# Altium PCB 10515.0500_Display_System（6拼版）_V1.0_20200907.PcbDoc (part 11 of 13)
Units mm, origin at the board's own origin, x right, y up, seen from the top; angles counter-clockwise.
Board outline 157 x 228.4 mm, 4 copper layers (Top Layer, Mid-Layer 1, Mid-Layer 2, Bottom Layer); 516 components, 0 nets, 1971 pads, 894 vias.
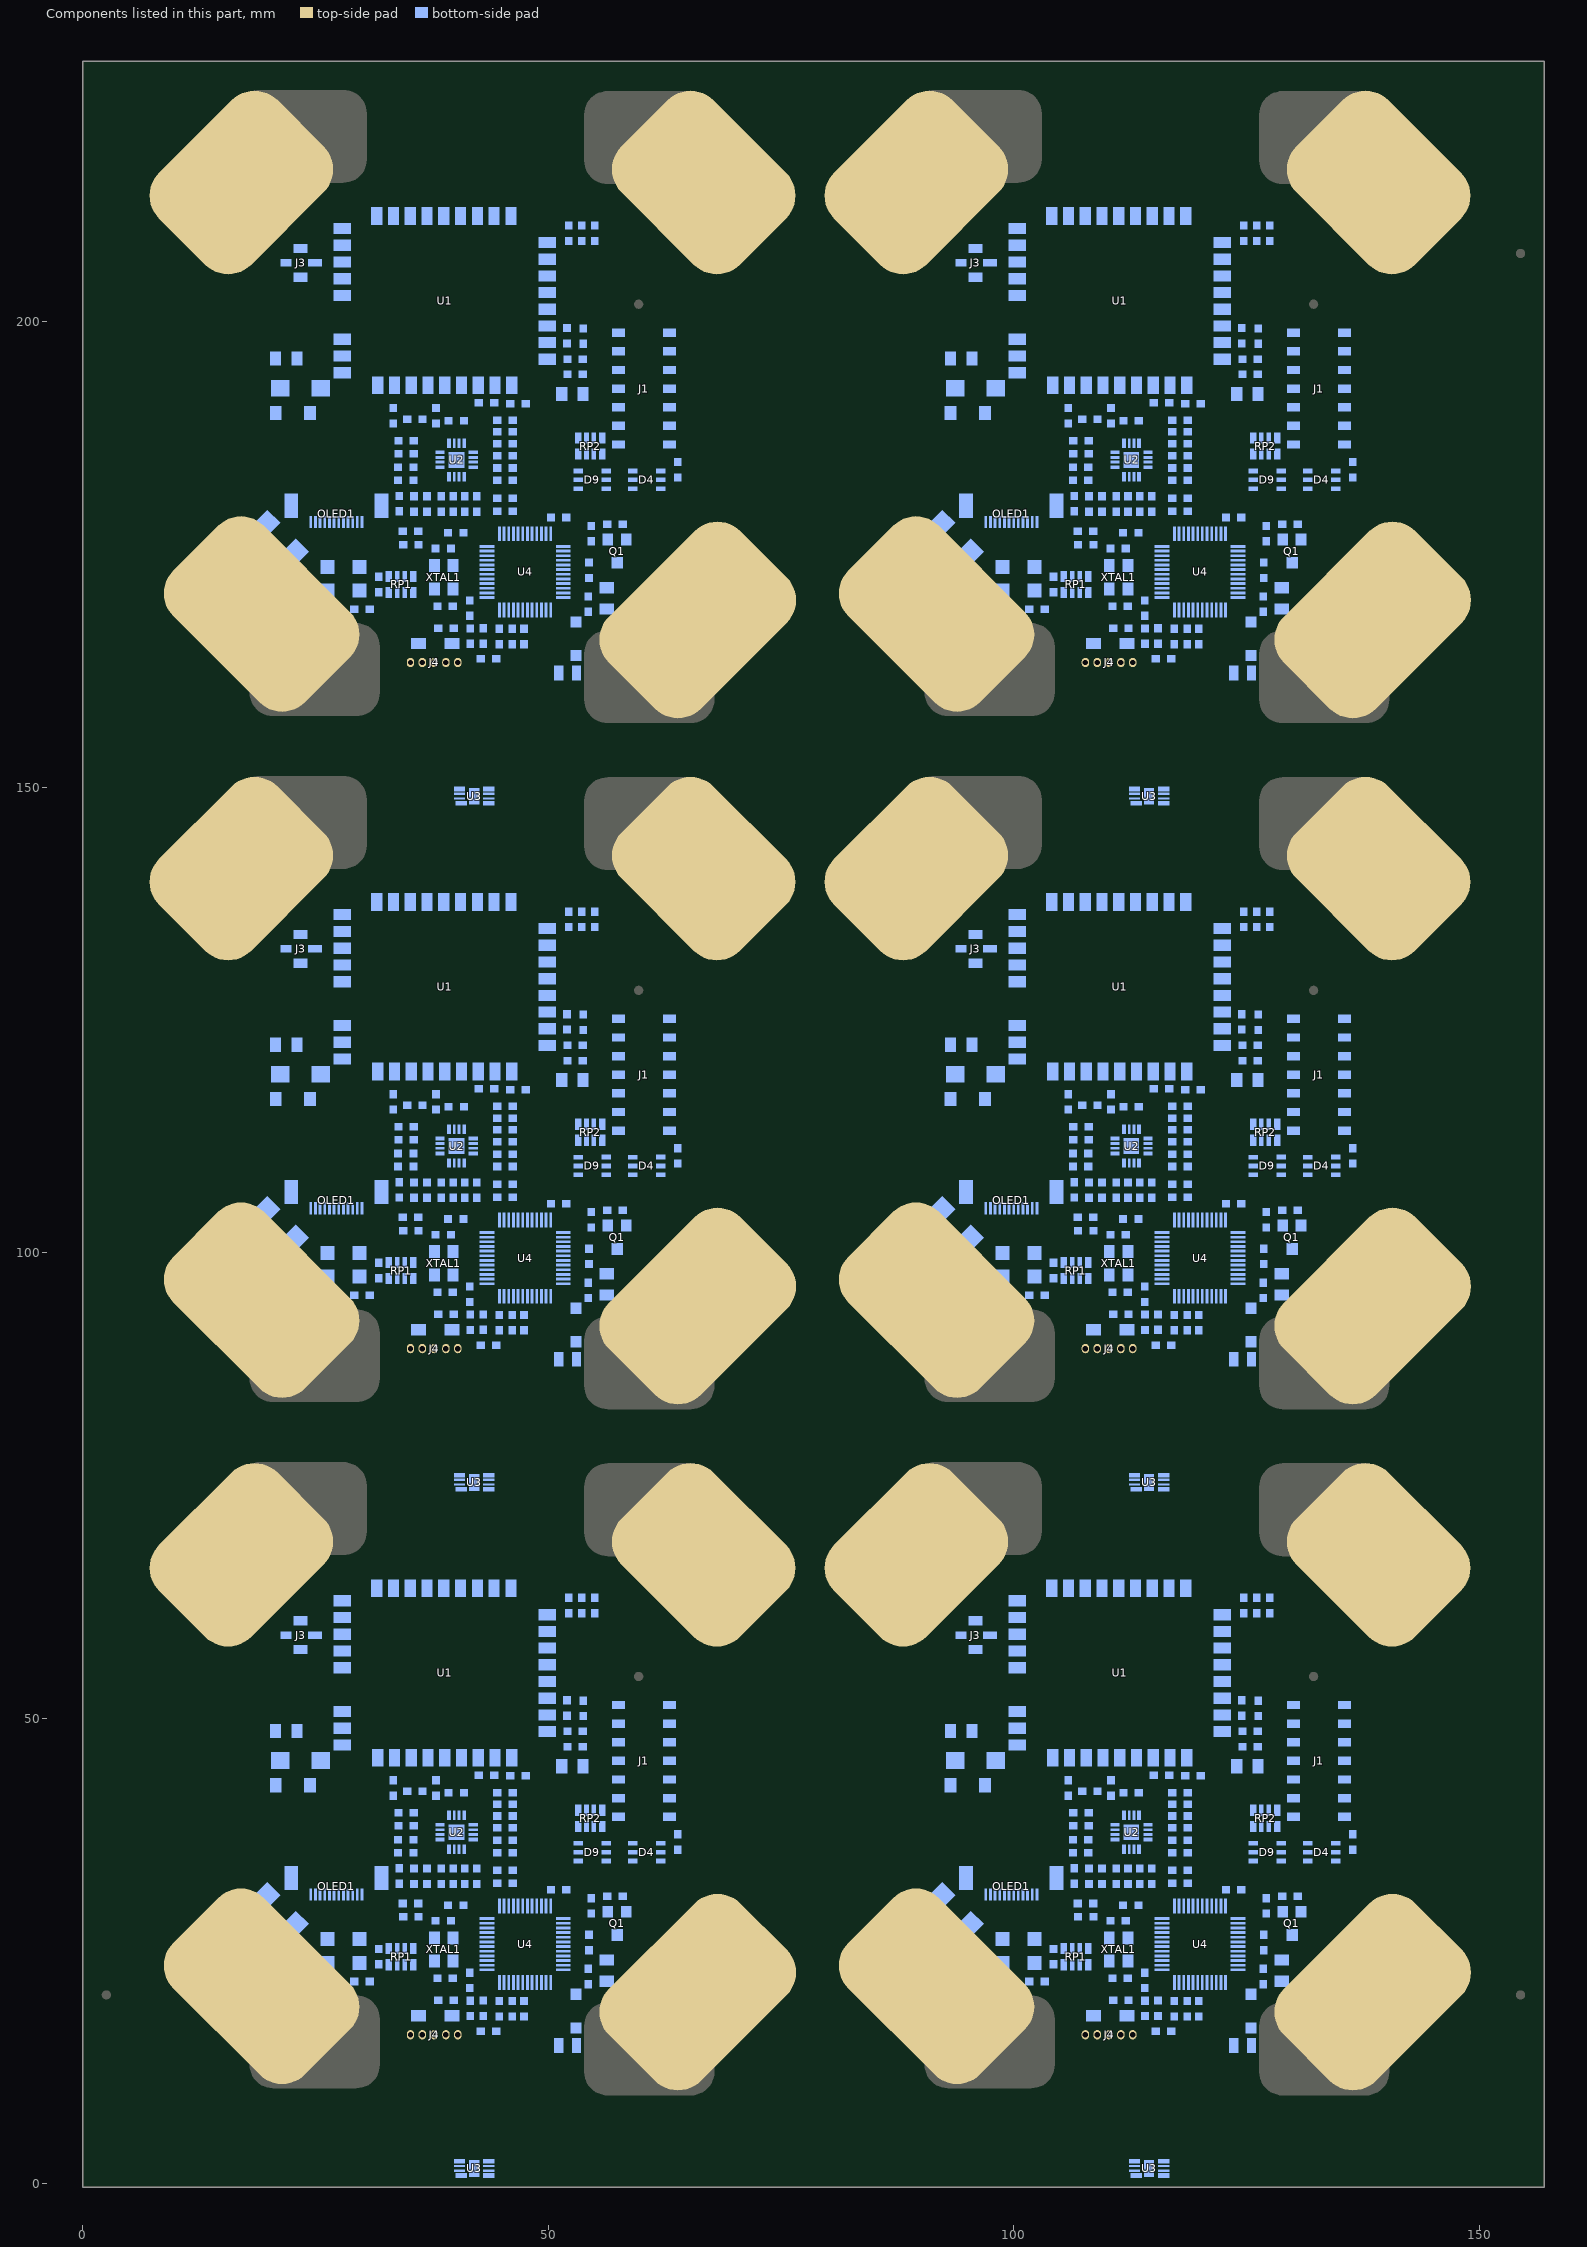
[diagram p13: the components of this part, seen from the top]

## Via types
v1: diameter 0.7, hole 0.4, Top Layer to Bottom Layer, tented both sides, 894 vias

## Nets (pads, with @x,y where several pads share a name; then routed paths per layer and width w, separated by ;. In a path a pad name is that pad's centre, name@x,y a point inside that pad or via, vN(x,y) a via of type N, cw(c..) or ccw(c..) an arc to the next point about the centre after c; other vN are vias at no path point) (continued)
copper on no net: (continued)
  Bottom Layer w0.45: 107.187,42.26 cw(c105.887,43.43) 105.887,41.681 106.902,41.681 107.36,42.139 ; 107.187,115.96 cw(c105.887,117.13) 105.887,115.381 106.902,115.381 107.36,115.839 ; 107.187,189.66 cw(c105.887,190.83) 105.887,189.081 106.902,189.081 107.36,189.539 ; 107.592,16.226 ccw(c107.293,16.524) 107.715,16.524 ccw(c108.138,16.524) 107.839,16.226 ; 107.592,89.926 ccw(c107.293,90.224) 107.715,90.224 ccw(c108.138,90.224) 107.839,89.926 ; 107.592,163.626 ccw(c107.293,163.924) 107.715,163.924 ccw(c108.138,163.924) 107.839,163.626 ; 107.715,16.002 107.715,17.167 108.582,18.034 108.582,19.155 109.112,19.685 110.7,19.685 ; 107.715,89.702 107.715,90.867 108.582,91.734 108.582,92.855 109.112,93.385 110.7,93.385 ; 107.715,163.402 107.715,164.567 108.582,165.434 108.582,166.555 109.112,167.085 110.7,167.085 ; 107.815,17.267 ccw(c107.289,17.794) 108.016,17.953 ; 107.815,90.967 ccw(c107.289,91.494) 108.016,91.653 ; 107.815,164.667 ccw(c107.289,165.194) 108.016,165.353 ; 108.317,18.299 ccw(c107.677,18.939) 108.582,18.939 ccw(c109.488,18.939) 108.847,18.299 ; 108.317,91.999 ccw(c107.677,92.639) 108.582,92.639 ccw(c109.488,92.639) 108.847,91.999 ; 108.317,165.699 ccw(c107.677,166.339) 108.582,166.339 ccw(c109.488,166.339) 108.847,165.699 ; 108.413,28.78 ccw(c108.103,29.09) 108.541,29.09 ccw(c108.979,29.09) 108.669,28.78 ; 108.413,29.971 cw(c108.103,29.661) 108.541,29.661 cw(c108.979,29.661) 108.669,29.971 ; 108.413,102.48 ccw(c108.103,102.79) 108.541,102.79 ccw(c108.979,102.79) 108.669,102.48 ; 108.413,103.671 cw(c108.103,103.361) 108.541,103.361 cw(c108.979,103.361) 108.669,103.671 ; 108.413,176.18 ccw(c108.103,176.49) 108.541,176.49 ccw(c108.979,176.49) 108.669,176.18 ; 108.413,177.371 cw(c108.103,177.061) 108.541,177.061 cw(c108.979,177.061) 108.669,177.371 ; 108.451,28.524 cw(c108.141,28.214) 108.579,28.214 cw(c109.017,28.214) 108.707,28.524 ; 108.451,102.224 cw(c108.141,101.914) 108.579,101.914 cw(c109.017,101.914) 108.707,102.224 ; 108.451,175.924 cw(c108.141,175.614) 108.579,175.614 cw(c109.017,175.614) 108.707,175.924 ; 108.541,28.69 108.541,30.099 ; 108.541,102.39 108.541,103.799 ; 108.541,176.09 108.541,177.499 ; v1(108.579,27.788) 108.579,28.652 ; v1(108.579,101.488) 108.579,102.352 ; v1(108.579,175.188) 108.579,176.052 ; 108.762,43.892 cw(c108.762,41.674) 110.331,43.242 ; 108.762,117.592 cw(c108.762,115.374) 110.331,116.942 ; 108.762,191.292 cw(c108.762,189.074) 110.331,190.642 ; 109.096,26.019 cw(c109.66,25.455) 110.096,26.123 ; 109.096,99.719 cw(c109.66,99.155) 110.096,99.823 ; 109.096,173.419 cw(c109.66,172.855) 110.096,173.523 ; 109.112,26.035 cw(c110.036,25.11) 110.308,26.389 ; 109.112,99.735 cw(c110.036,98.81) 110.308,100.089 ; 109.112,173.435 cw(c110.036,172.51) 110.308,173.789 ; 109.177,42.01 cw(c109.487,41.701) 109.487,42.139 cw(c109.487,42.577) 109.177,42.267 ; 109.177,115.71 cw(c109.487,115.401) 109.487,115.839 cw(c109.487,116.277) 109.177,115.967 ; 109.177,189.41 cw(c109.487,189.101) 109.487,189.539 cw(c109.487,189.977) 109.177,189.667 ; 109.333,45.149 cw(c108.693,44.509) 109.598,44.509 cw(c110.504,44.509) 109.863,45.149 ; 109.333,118.849 cw(c108.693,118.209) 109.598,118.209 cw(c110.504,118.209) 109.863,118.849 ; 109.333,192.549 cw(c108.693,191.909) 109.598,191.909 cw(c110.504,191.909) 109.863,192.549 ; 109.455,33.884 109.493,33.846 ; 109.455,107.584 109.493,107.545 ; 109.455,181.284 109.493,181.245 ; 109.488,26.411 cw(c109.97,25.93) 110.342,26.5 ; 109.488,100.111 cw(c109.97,99.63) 110.342,100.2 ; 109.488,173.811 cw(c109.97,173.33) 110.342,173.9 ; 109.598,43.997 109.598,45.764 ; 109.598,117.697 109.598,119.464 ; 109.598,191.397 109.598,193.164 ; 109.698,26.621 cw(c110.242,26.077) 110.402,26.829 ; 109.698,100.321 cw(c110.242,99.777) 110.402,100.529 ; 109.698,174.021 cw(c110.242,173.477) 110.402,174.229 ; 109.849,43.892 cw(c109.849,42.76) 110.649,43.56 ; 109.849,117.592 cw(c109.849,116.46) 110.649,117.26 ; 109.849,191.292 cw(c109.849,190.16) 110.649,190.96 ; 109.951,43.879 cw(c109.983,43.846) 109.983,43.892 ; 109.951,117.579 cw(c109.983,117.546) 109.983,117.592 ; 109.951,191.279 cw(c109.983,191.246) 109.983,191.292 ; 110.029,26.18 ccw(c109.493,25.69) 109.493,26.416 ; 110.029,26.652 cw(c109.493,27.142) 109.493,26.416 ; 110.029,99.88 ccw(c109.493,99.39) 109.493,100.116 ; 110.029,100.352 cw(c109.493,100.842) 109.493,100.116 ; 110.029,173.58 ccw(c109.493,173.09) 109.493,173.816 ; 110.029,174.052 cw(c109.493,174.542) 109.493,173.816 ; 110.04,23.544 cw(c109.442,22.946) 110.287,22.946 cw(c111.132,22.946) 110.535,23.544 ; 110.04,26.788 ccw(c109.152,27.677) 110.408,27.677 ; 110.04,97.244 cw(c109.442,96.646) 110.287,96.646 cw(c111.132,96.646) 110.535,97.244 ; 110.04,100.488 ccw(c109.152,101.377) 110.408,101.377 ; 110.04,170.944 cw(c109.442,170.346) 110.287,170.346 cw(c111.132,170.346) 110.535,170.944 ; 110.04,174.188 ccw(c109.152,175.077) 110.408,175.077 ; 110.096,42.139 cw(c110.096,41.357) 110.649,41.909 ; 110.096,115.839 cw(c110.096,115.057) 110.649,115.609 ; 110.096,189.539 cw(c110.096,188.757) 110.649,189.309 ; 110.269,43.56 cw(c111.07,42.76) 111.07,43.892 ; 110.269,117.26 cw(c111.07,116.46) 111.07,117.592 ; 110.269,190.96 cw(c111.07,190.16) 111.07,191.292 ; 110.279,28.116 cw(c109.97,27.806) 110.408,27.806 cw(c110.846,27.806) 110.536,28.116 ; 110.279,101.816 cw(c109.97,101.506) 110.408,101.506 cw(c110.846,101.506) 110.536,101.816 ; 110.279,175.516 cw(c109.97,175.206) 110.408,175.206 cw(c110.846,175.206) 110.536,175.516 ; 110.287,23.175 ccw(c111.7,23.175) 110.701,22.176 ; 110.287,23.916 110.287,22.372 110.611,22.048 ; 110.287,96.875 ccw(c111.7,96.875) 110.701,95.876 ; 110.287,97.616 110.287,96.072 110.611,95.748 ; 110.287,170.575 ccw(c111.7,170.575) 110.701,169.576 ; 110.287,171.316 110.287,169.772 110.611,169.448 ; 110.331,41.591 ccw(c109.011,40.273) 109.011,42.139 110.002,42.139 110.459,41.681 110.765,41.987 111.805,41.987 v1(111.805,42.774) ; 110.331,43.204 ccw(c110.021,42.894) 110.021,43.332 ccw(c110.021,43.77) 110.331,43.461 ; 110.331,115.291 ccw(c109.011,113.973) 109.011,115.839 110.002,115.839 110.459,115.381 110.765,115.687 111.805,115.687 v1(111.805,116.474) ; 110.331,116.904 ccw(c110.021,116.594) 110.021,117.032 ccw(c110.021,117.47) 110.331,117.161 ; 110.331,188.991 ccw(c109.011,187.673) 109.011,189.539 110.002,189.539 110.459,189.081 110.765,189.387 111.805,189.387 v1(111.805,190.174) ; 110.331,190.604 ccw(c110.021,190.294) 110.021,190.732 ccw(c110.021,191.17) 110.331,190.861 ; 110.528,43.538 ccw(c110.787,44.172) 111.271,43.688 ; 110.528,117.238 ccw(c110.787,117.872) 111.271,117.388 ; 110.528,190.938 ccw(c110.787,191.572) 111.271,191.088 ; 110.533,19.557 ccw(c110.224,19.247) 110.224,19.685 ccw(c110.224,20.123) 110.533,19.813 ; 110.533,93.257 ccw(c110.224,92.947) 110.224,93.385 ccw(c110.224,93.823) 110.533,93.513 ; 110.533,166.957 ccw(c110.224,166.647) 110.224,167.085 ccw(c110.224,167.523) 110.533,167.213 ; 110.588,41.591 cw(c111.543,40.636) 111.543,41.987 ; 110.588,43.242 cw(c112.156,41.674) 112.156,43.892 ; 110.588,115.291 cw(c111.543,114.336) 111.543,115.687 ; 110.588,116.942 cw(c112.156,115.374) 112.156,117.592 ; 110.588,188.991 cw(c111.543,188.036) 111.543,189.387 ; 110.588,190.642 cw(c112.156,189.074) 112.156,191.292 ; 110.621,43.289 cw(c111.271,42.959) 111.271,43.688 ; 110.621,116.989 cw(c111.271,116.659) 111.271,117.388 ; 110.621,190.689 cw(c111.271,190.359) 111.271,191.088 ; 110.627,28.244 cw(c112.018,28.244) 111.034,29.227 ; 110.627,101.944 cw(c112.018,101.944) 111.034,102.927 ; 110.627,175.644 cw(c112.018,175.644) 111.034,176.627 ; v1@110.807,30.183 ccw(c111.283,30.659) 111.624,30.078 ; v1@110.807,103.883 ccw(c111.283,104.359) 111.624,103.778 ; v1@110.807,177.583 ccw(c111.283,178.059) 111.624,177.478 ; 110.815,43.688 111.271,43.688 ; 110.815,117.388 111.271,117.388 ; 110.815,191.088 111.271,191.088 ; 110.935,43.892 cw(c110.935,43.846) 110.967,43.879 ; 110.935,117.592 cw(c110.935,117.546) 110.967,117.579 ; 110.935,191.292 cw(c110.935,191.246) 110.967,191.279 ; v1@111.157,29.972 cw(c111.157,29.363) 111.588,29.794 ; v1@111.157,103.672 cw(c111.157,103.063) 111.588,103.494 ; v1@111.157,177.372 cw(c111.157,176.763) 111.588,177.194 ; v1@111.218,29.771 ccw(c111.587,30.141) 111.852,29.69 ; v1@111.218,103.471 ccw(c111.587,103.841) 111.852,103.39 ; v1@111.218,177.171 ccw(c111.587,177.541) 111.852,177.09 ; 111.402,16.226 ccw(c111.103,16.524) 111.525,16.524 ccw(c111.948,16.524) 111.649,16.226 ; 111.402,89.926 ccw(c111.103,90.224) 111.525,90.224 ccw(c111.948,90.224) 111.649,89.926 ; 111.402,163.626 ccw(c111.103,163.924) 111.525,163.924 ccw(c111.948,163.924) 111.649,163.626 ; 111.525,16.002 111.525,17.377 112.351,18.202 112.351,19.685 114.041,19.685 114.065,19.71 114.065,21.018 ; 111.525,16.025 cw(c113.991,16.025) 112.247,17.769 ; 111.525,17.112 cw(c112.905,17.112) 111.929,18.087 ; 111.525,89.702 111.525,91.077 112.351,91.902 112.351,93.385 114.041,93.385 114.065,93.41 114.065,94.718 ; 111.525,89.725 cw(c113.991,89.725) 112.247,91.469 ; 111.525,90.812 cw(c112.905,90.812) 111.929,91.787 ; 111.525,163.402 111.525,164.777 112.351,165.602 112.351,167.085 114.041,167.085 114.065,167.11 114.065,168.418 ; 111.525,163.425 cw(c113.991,163.425) 112.247,165.169 ; 111.525,164.512 cw(c112.905,164.512) 111.929,165.487 ; 111.638,41.859 ccw(c111.329,41.549) 111.329,41.987 ccw(c111.329,42.425) 111.638,42.115 ; 111.638,115.559 ccw(c111.329,115.249) 111.329,115.687 ccw(c111.329,116.125) 111.638,115.815 ; 111.638,189.259 ccw(c111.329,188.949) 111.329,189.387 ccw(c111.329,189.825) 111.638,189.515 ; 111.652,29.337 v1(111.017,29.972) 111.704,29.972 111.754,29.922 ; 111.652,103.037 v1(111.017,103.672) 111.704,103.672 111.754,103.622 ; 111.652,176.737 v1(111.017,177.372) 111.704,177.372 111.754,177.322 ; 111.676,42.115 ccw(c111.367,42.425) 111.805,42.425 ccw(c112.243,42.425) 111.933,42.115 ; 111.676,115.815 ccw(c111.367,116.125) 111.805,116.125 ccw(c112.243,116.125) 111.933,115.815 ; 111.676,189.515 ccw(c111.367,189.825) 111.805,189.825 ccw(c112.243,189.825) 111.933,189.515 ; 111.93,28.116 cw(c111.621,27.806) 112.059,27.806 cw(c112.497,27.806) 112.187,28.116 ; 111.93,101.816 cw(c111.621,101.506) 112.059,101.506 cw(c112.497,101.506) 112.187,101.816 ; 111.93,175.516 cw(c111.621,175.206) 112.059,175.206 cw(c112.497,175.206) 112.187,175.516 ; 112.04,23.544 cw(c111.442,22.946) 112.287,22.946 cw(c113.132,22.946) 112.535,23.544 ; 112.04,97.244 cw(c111.442,96.646) 112.287,96.646 cw(c113.132,96.646) 112.535,97.244 ; 112.04,170.944 cw(c111.442,170.346) 112.287,170.346 cw(c113.132,170.346) 112.535,170.944 ; 112.059,27.938 ccw(c113.684,27.938) 112.535,26.788 ; 112.059,28.244 112.059,26.645 112.287,26.416 ; 112.059,101.638 ccw(c113.684,101.638) 112.535,100.488 ; 112.059,101.944 112.059,100.345 112.287,100.116 ; 112.059,175.338 ccw(c113.684,175.338) 112.535,174.188 ; 112.059,175.644 112.059,174.045 112.287,173.816 ; 112.117,18.299 ccw(c111.553,18.863) 112.351,18.863 ; 112.117,91.999 ccw(c111.553,92.563) 112.351,92.563 ; 112.117,165.699 ccw(c111.553,166.263) 112.351,166.263 ; 112.134,21.92 cw(c111.824,21.61) 112.262,21.61 cw(c112.7,21.61) 112.39,21.92 ; 112.134,95.62 cw(c111.824,95.31) 112.262,95.31 cw(c112.7,95.31) 112.39,95.62 ; 112.134,169.32 cw(c111.824,169.01) 112.262,169.01 cw(c112.7,169.01) 112.39,169.32 ; 112.172,22.176 ccw(c111.893,22.455) 112.287,22.455 ; 112.172,95.876 ccw(c111.893,96.155) 112.287,96.155 ; 112.172,169.576 ccw(c111.893,169.855) 112.287,169.855 ; 112.223,19.557 cw(c111.913,19.247) 112.351,19.247 cw(c112.789,19.247) 112.479,19.557 ; 112.223,93.257 cw(c111.913,92.947) 112.351,92.947 cw(c112.789,92.947) 112.479,93.257 ; 112.223,166.957 cw(c111.913,166.647) 112.351,166.647 cw(c112.789,166.647) 112.479,166.957 ; 112.262,22.048 112.262,21.438 111.779,20.955 109.493,20.955 108.985,21.463 108.985,25.908 109.493,26.416 ; 112.262,95.748 112.262,95.138 111.779,94.655 109.493,94.655 108.985,95.163 108.985,99.608 109.493,100.116 ; 112.262,169.448 112.262,168.838 111.779,168.355 109.493,168.355 108.985,168.863 108.985,173.308 109.493,173.816 ; 112.287,22.073 112.287,23.916 ; 112.287,22.517 ccw(c112.769,22.517) 112.428,22.176 ; 112.287,29.337 111.144,29.337 110.408,28.6 110.408,28.244 110.408,26.536 110.287,26.416 109.493,26.416 ; 112.287,95.773 112.287,97.616 ; 112.287,96.217 ccw(c112.769,96.217) 112.428,95.876 ; 112.287,103.037 111.144,103.037 110.408,102.3 110.408,101.944 110.408,100.236 110.287,100.116 109.493,100.116 ; 112.287,169.473 112.287,171.316 ; 112.287,169.917 ccw(c112.769,169.917) 112.428,169.576 ; 112.287,176.737 111.144,176.737 110.408,176 110.408,175.644 110.408,173.936 110.287,173.816 109.493,173.816 ; 112.351,19.015 ccw(c113.364,19.015) 112.647,18.299 ; 112.351,92.715 ccw(c113.364,92.715) 112.647,91.999 ; 112.351,166.415 ccw(c113.364,166.415) 112.647,165.699 ; 112.517,19.557 cw(c112.827,19.247) 112.827,19.685 cw(c112.827,20.123) 112.517,19.813 ; 112.517,93.257 cw(c112.827,92.947) 112.827,93.385 cw(c112.827,93.823) 112.517,93.513 ; 112.517,166.957 cw(c112.827,166.647) 112.827,167.085 cw(c112.827,167.523) 112.517,167.213 ; 112.636,43.892 cw(c112.636,42.894) 113.342,43.6 cw(c113.067,43.325) 113.456,43.325 ; 112.636,117.592 cw(c112.636,116.594) 113.342,117.3 cw(c113.067,117.025) 113.456,117.025 ; 112.636,191.292 cw(c112.636,190.294) 113.342,191 cw(c113.067,190.725) 113.456,190.725 ; v1@113.303,43.688 111.271,43.688 ; v1@113.303,117.388 111.271,117.388 ; v1@113.303,191.088 111.271,191.088 ; 113.327,42.115 ccw(c113.018,42.425) 113.456,42.425 ccw(c113.894,42.425) 113.584,42.115 ; 113.327,115.815 ccw(c113.018,116.125) 113.456,116.125 ccw(c113.894,116.125) 113.584,115.815 ; 113.327,189.515 ccw(c113.018,189.825) 113.456,189.825 ccw(c113.894,189.825) 113.584,189.515 ; 113.456,41.987 v1@113.456,43.536 ; 113.456,115.687 v1@113.456,117.236 ; 113.456,189.387 v1@113.456,190.936 ; v1@113.519,43.6 cw(c114.225,42.894) 114.225,43.892 ; v1@113.519,117.3 cw(c114.225,116.594) 114.225,117.592 ; v1@113.519,191 cw(c114.225,190.294) 114.225,191.292 ; 113.647,19.685 ccw(c113.647,20.166) 113.987,19.826 ; 113.647,93.385 ccw(c113.647,93.866) 113.987,93.526 ; 113.647,167.085 ccw(c113.647,167.566) 113.987,167.226 ; 113.708,19.685 cw(c113.708,19.29) 113.987,19.569 ; 113.708,93.385 cw(c113.708,92.99) 113.987,93.269 ; 113.708,167.085 cw(c113.708,166.69) 113.987,166.969 ; 113.937,20.852 cw(c113.627,20.542) 114.065,20.542 cw(c114.503,20.542) 114.194,20.852 ; 113.937,94.552 cw(c113.627,94.242) 114.065,94.242 cw(c114.503,94.242) 114.194,94.552 ; 113.937,168.252 cw(c113.627,167.942) 114.065,167.942 cw(c114.503,167.942) 114.194,168.252 ; 114.065,20.256 ccw(c114.674,20.256) 114.244,19.826 ; 114.065,93.956 ccw(c114.674,93.956) 114.244,93.526 ; 114.065,167.656 ccw(c114.674,167.656) 114.244,167.226 ; 114.115,18.009 114.217,17.907 115.401,17.907 115.512,18.018 cw(c115.21,18.321) v1@114.914,18.011 ; 114.115,91.709 114.217,91.607 115.401,91.607 115.512,91.718 cw(c115.21,92.021) v1@114.914,91.711 ; 114.115,165.409 114.217,165.307 115.401,165.307 115.512,165.418 cw(c115.21,165.721) v1@114.914,165.411 ; 114.244,18.099 ccw(c114.707,18.562) v1@114.707,17.907 ; 114.244,91.799 ccw(c114.707,92.262) v1@114.707,91.607 ; 114.244,165.499 ccw(c114.707,165.962) v1@114.707,165.307 ; 114.733,45.149 cw(c114.093,44.509) 114.998,44.509 cw(c115.904,44.509) 115.263,45.149 ; 114.733,46.379 ccw(c114.093,47.019) 114.998,47.019 ccw(c115.904,47.019) 115.263,46.379 ; 114.733,118.849 cw(c114.093,118.209) 114.998,118.209 cw(c115.904,118.209) 115.263,118.849 ; 114.733,120.079 ccw(c114.093,120.719) 114.998,120.719 ccw(c115.904,120.719) 115.263,120.079 ; 114.733,192.549 cw(c114.093,191.909) 114.998,191.909 cw(c115.904,191.909) 115.263,192.549 ; 114.733,193.779 ccw(c114.093,194.419) 114.998,194.419 ccw(c115.904,194.419) 115.263,193.779 ; 114.89,43.764 ccw(c114.58,43.454) 114.58,43.892 ccw(c114.58,44.33) 114.89,44.02 ; 114.89,117.464 ccw(c114.58,117.154) 114.58,117.592 ccw(c114.58,118.03) 114.89,117.72 ; 114.89,191.164 ccw(c114.58,190.854) 114.58,191.292 ccw(c114.58,191.73) 114.89,191.42 ; v1@114.898,17.907 ccw(c114.898,18.594) 115.384,18.108 ; v1@114.898,91.607 ccw(c114.898,92.294) 115.384,91.808 ; v1@114.898,165.307 ccw(c114.898,165.994) 115.384,165.508 ; 114.998,43.892 102.508,43.892 102,44.4 102,47.114 ; 114.998,43.942 114.998,45.764 114.998,47.034 115.208,47.244 118.598,47.244 ; 114.998,44.377 ccw(c115.503,44.377) 115.146,44.02 ; 114.998,117.592 102.508,117.592 102,118.1 102,120.814 ; 114.998,117.642 114.998,119.464 114.998,120.734 115.208,120.944 118.598,120.944 ; 114.998,118.077 ccw(c115.503,118.077) 115.146,117.72 ; 114.998,191.292 102.508,191.292 102,191.8 102,194.514 ; 114.998,191.342 114.998,193.164 114.998,194.434 115.208,194.644 118.598,194.644 ; 114.998,191.777 ccw(c115.503,191.777) 115.146,191.42 ; v1@115.374,20.232 cw(c115.04,19.898) 115.512,19.898 ; v1@115.374,93.932 cw(c115.04,93.598) 115.512,93.598 ; v1@115.374,167.632 cw(c115.04,167.298) 115.512,167.298 ; v1@115.379,20.227 cw(c114.794,19.575) 115.67,19.575 ; v1@115.379,93.927 cw(c114.794,93.275) 115.67,93.275 ; v1@115.379,167.627 cw(c114.794,166.975) 115.67,166.975 ; v1@115.419,20.203 cw(c115.289,19.845) 115.67,19.845 ; v1@115.419,93.903 cw(c115.289,93.545) 115.67,93.545 ; v1@115.419,167.603 cw(c115.289,167.245) 115.67,167.245 ; 115.512,19.669 115.512,20.05 115.369,20.193 115.67,19.893 115.67,19.605 ; 115.512,93.369 115.512,93.75 115.369,93.893 115.67,93.593 115.67,93.305 ; 115.512,167.069 115.512,167.45 115.369,167.593 115.67,167.293 115.67,167.005 ; 116.533,45.149 cw(c115.893,44.509) 116.798,44.509 cw(c117.704,44.509) 117.063,45.149 ; 116.533,118.849 cw(c115.893,118.209) 116.798,118.209 cw(c117.704,118.209) 117.063,118.849 ; 116.533,192.549 cw(c115.893,191.909) 116.798,191.909 cw(c117.704,191.909) 117.063,192.549 ; 116.617,44.02 ccw(c116.178,44.459) 116.798,44.459 ; 116.617,117.72 ccw(c116.178,118.159) 116.798,118.159 ; 116.617,191.42 ccw(c116.178,191.859) 116.798,191.859 ; 116.798,45.764 116.798,43.892 118.37,43.892 ; 116.798,119.464 116.798,117.592 118.37,117.592 ; 116.798,193.164 116.798,191.292 118.37,191.292 ; 116.873,43.764 cw(c117.183,43.454) 117.183,43.892 cw(c117.183,44.33) 116.873,44.02 ; 116.873,117.464 cw(c117.183,117.154) 117.183,117.592 cw(c117.183,118.03) 116.873,117.72 ; 116.873,191.164 cw(c117.183,190.854) 117.183,191.292 cw(c117.183,191.73) 116.873,191.42 ; 117.785,43.892 cw(c117.785,43.191) 118.28,43.687 ; 117.785,117.592 cw(c117.785,116.891) 118.28,117.387 ; 117.785,191.292 cw(c117.785,190.591) 118.28,191.087 ; 118.333,46.379 ccw(c117.693,47.019) 118.598,47.019 ccw(c119.504,47.019) 118.863,46.379 ; 118.333,120.079 ccw(c117.693,120.719) 118.598,120.719 ccw(c119.504,120.719) 118.863,120.079 ; 118.333,193.779 ccw(c117.693,194.419) 118.598,194.419 ccw(c119.504,194.419) 118.863,193.779 ; 118.498,63.964 124.523,63.964 124.733,63.754 124.733,62.928 124.733,63.456 124.225,63.964 ; 118.498,137.664 124.523,137.664 124.733,137.454 124.733,136.628 124.733,137.156 124.225,137.664 ; 118.498,211.364 124.523,211.364 124.733,211.154 124.733,210.328 124.733,210.856 124.225,211.364 ; 118.598,45.764 118.598,47.244 ; 118.598,119.464 118.598,120.944 ; 118.598,193.164 118.598,194.644 ; 118.701,38.227 v1(119.526,38.227) ; 118.701,111.927 v1(119.526,111.927) ; 118.701,185.627 v1(119.526,185.627) ; 118.763,63.699 cw(c119.404,63.059) 119.404,63.964 cw(c119.404,64.869) 118.763,64.229 ; 118.763,137.399 cw(c119.404,136.759) 119.404,137.664 cw(c119.404,138.569) 118.763,137.929 ; 118.763,211.099 cw(c119.404,210.459) 119.404,211.364 cw(c119.404,212.269) 118.763,211.629 ; 118.867,38.099 cw(c119.177,37.789) 119.177,38.227 cw(c119.177,38.665) 118.867,38.355 ; 118.867,111.799 cw(c119.177,111.489) 119.177,111.927 cw(c119.177,112.365) 118.867,112.055 ; 118.867,185.499 cw(c119.177,185.189) 119.177,185.627 cw(c119.177,186.065) 118.867,185.755 ; 119.779,17.804 cw(c119.469,17.494) 119.907,17.494 cw(c120.345,17.494) 120.036,17.804 ; 119.779,91.504 cw(c119.469,91.194) 119.907,91.194 cw(c120.345,91.194) 120.036,91.504 ; 119.779,165.204 cw(c119.469,164.894) 119.907,164.894 cw(c120.345,164.894) 120.036,165.204 ; v1(119.907,17.145) 119.907,17.97 ; v1(119.907,90.845) 119.907,91.67 ; v1(119.907,164.545) 119.907,165.37 ; 120.839,49.954 cw(c121.394,49.399) 121.837,50.047 ; 120.839,123.654 cw(c121.394,123.099) 121.837,123.747 ; 120.839,197.354 cw(c121.394,196.799) 121.837,197.447 ; 120.923,49.684 cw(c121.659,49.684) 121.139,50.204 cw(c121.509,49.834) 121.509,50.357 ; 120.923,123.384 cw(c121.659,123.384) 121.139,123.904 cw(c121.509,123.534) 121.509,124.057 ; 120.923,197.084 cw(c121.659,197.084) 121.139,197.604 cw(c121.509,197.234) 121.509,197.757 ; v1@121.056,50.171 cw(c121.78,49.447) 122.069,50.429 ; v1@121.056,123.871 cw(c121.78,123.147) 122.069,124.129 ; v1@121.056,197.571 cw(c121.78,196.847) 122.069,197.829 ; v1@121.223,50.338 cw(c121.706,49.855) 122.091,50.419 ; v1@121.223,124.038 cw(c121.706,123.555) 122.091,124.119 ; v1@121.223,197.738 cw(c121.706,197.255) 122.091,197.819 ; 121.531,63.964 ccw(c121.531,64.416) v1@121.851,64.096 ; 121.531,137.664 ccw(c121.531,138.116) v1@121.851,137.796 ; 121.531,211.364 ccw(c121.531,211.816) v1@121.851,211.496 ; 121.761,50.115 ccw(c121.242,49.678) v1@121.242,50.357 ; 121.761,50.598 cw(c121.242,51.036) v1@121.242,50.357 ; 121.761,123.815 ccw(c121.242,123.378) v1@121.242,124.057 ; 121.761,124.298 cw(c121.242,124.736) v1@121.242,124.057 ; 121.761,197.515 ccw(c121.242,197.078) v1@121.242,197.757 ; 121.761,197.998 cw(c121.242,198.436) v1@121.242,197.757 ; v1@122.028,64.096 ccw(c122.347,64.416) 122.347,63.964 ; v1@122.028,137.796 ccw(c122.347,138.116) 122.347,137.664 ; v1@122.028,211.496 ccw(c122.347,211.816) 122.347,211.364 ; 122.398,50.357 v1@121.242,50.357 ; 122.398,61.114 124.57,61.114 124.733,61.277 ; 122.398,124.057 v1@121.242,124.057 ; 122.398,134.814 124.57,134.814 124.733,134.977 ; 122.398,197.757 v1@121.242,197.757 ; 122.398,208.514 124.57,208.514 124.733,208.677 ; 122.63,51.918 124.529,51.918 ; 122.63,125.618 124.529,125.618 ; 122.63,199.318 124.529,199.318 ; 122.675,31.701 ccw(c122.365,32.011) 122.803,32.011 ccw(c123.241,32.011) 122.931,31.701 ; 122.675,105.401 ccw(c122.365,105.711) 122.803,105.711 ccw(c123.241,105.711) 122.931,105.401 ; 122.675,179.101 ccw(c122.365,179.411) 122.803,179.411 ccw(c123.241,179.411) 122.931,179.101 ; 122.803,31.7 v1@122.803,32.487 ; 122.803,105.4 v1@122.803,106.187 ; 122.803,179.1 v1@122.803,179.887 ; 123.013,52.415 ccw(c124.214,53.615) 124.214,51.918 ; 123.013,60.849 cw(c123.654,60.209) 123.654,61.114 cw(c123.654,62.019) 123.013,61.379 ; 123.013,126.115 ccw(c124.214,127.315) 124.214,125.618 ; 123.013,134.549 cw(c123.654,133.909) 123.654,134.814 cw(c123.654,135.719) 123.013,135.079 ; 123.013,199.815 ccw(c124.214,201.015) 124.214,199.318 ; 123.013,208.249 cw(c123.654,207.609) 123.654,208.514 cw(c123.654,209.419) 123.013,208.779 ; 123.459,15.299 ccw(c122.223,16.535) 123.971,16.535 ; 123.459,88.999 ccw(c122.223,90.235) 123.971,90.235 ; 123.459,162.699 ccw(c122.223,163.935) 123.971,163.935 ; 123.654,14.605 123.971,14.922 v1@123.971,17.399 ; 123.654,88.305 123.971,88.622 v1@123.971,91.099 ; 123.654,162.005 123.971,162.322 v1@123.971,164.799 ; 123.993,61.114 ccw(c123.993,61.98) 124.605,61.368 ; 123.993,134.814 ccw(c123.993,135.68) 124.605,135.068 ; 123.993,208.514 ccw(c123.993,209.38) 124.605,208.768 ; 124.078,64.112 cw(c122.932,62.967) 124.552,62.967 ; 124.078,137.812 cw(c122.932,136.667) 124.552,136.667 ; 124.078,211.512 cw(c122.932,210.367) 124.552,210.367 ; 124.262,51.932 cw(c124.854,51.985) 124.434,52.405 ; 124.262,125.632 cw(c124.854,125.685) 124.434,126.105 ; 124.262,199.332 cw(c124.854,199.385) 124.434,199.805 ; 124.401,51.789 ccw(c124.091,51.48) 124.091,51.918 ccw(c124.091,52.356) 124.401,52.046 ; 124.401,125.489 ccw(c124.091,125.18) 124.091,125.618 ccw(c124.091,126.056) 124.401,125.746 ; 124.401,199.189 ccw(c124.091,198.88) 124.091,199.318 ccw(c124.091,199.756) 124.401,199.446 ; 124.439,50.357 124.529,50.267 ; 124.439,124.057 124.529,123.967 ; 124.439,197.757 124.529,197.667 ; 124.454,31.573 124.658,31.369 ; 124.454,31.7 124.504,31.75 ; 124.454,105.273 124.658,105.069 ; 124.454,105.4 124.504,105.45 ; 124.454,178.973 124.658,178.769 ; 124.454,179.1 124.504,179.15 ; 124.605,63.095 ccw(c124.295,63.405) 124.733,63.405 ccw(c125.171,63.405) 124.862,63.095 ; 124.605,136.795 ccw(c124.295,137.105) 124.733,137.105 ccw(c125.171,137.105) 124.862,136.795 ; 124.605,210.495 ccw(c124.295,210.805) 124.733,210.805 ccw(c125.171,210.805) 124.862,210.495 ; 124.62,31.445 cw(c125.357,30.708) v1@125.357,31.75 ; 124.62,31.701 ccw(c125.422,32.503) 125.422,31.369 ; 124.62,105.145 cw(c125.357,104.408) v1@125.357,105.45 ; 124.62,105.401 ccw(c125.422,106.203) 125.422,105.069 ; 124.62,178.845 cw(c125.357,178.108) v1@125.357,179.15 ; 124.62,179.101 ccw(c125.422,179.903) 125.422,178.769 ; 124.658,51.751 cw(c124.967,51.442) 124.967,51.88 cw(c124.967,52.317) 124.658,52.008 ; 124.658,125.451 cw(c124.967,125.142) 124.967,125.579 cw(c124.967,126.017) 124.658,125.708 ; 124.658,199.151 cw(c124.967,198.842) 124.967,199.279 cw(c124.967,199.717) 124.658,199.408 ; 124.71,51.972 cw(c126.104,52.097) 125.114,53.086 124.529,52.501 124.529,51.918 ; 124.71,125.672 cw(c126.104,125.797) 125.114,126.786 124.529,126.201 124.529,125.618 ; 124.71,199.372 cw(c126.104,199.497) 125.114,200.486 124.529,199.901 124.529,199.318 ; 124.733,31.75 124.504,31.75 ; 124.733,105.45 124.504,105.45 ; 124.733,179.15 124.504,179.15 ; 125.072,15.306 ccw(c124.032,16.424) 125.559,16.424 ; 125.072,89.006 ccw(c124.032,90.124) 125.559,90.124 ; 125.072,162.706 ccw(c124.032,163.824) 125.559,163.824 ; v1@125.17,31.749 ccw(c125.551,31.75) 125.551,31.369 ; v1@125.17,105.449 ccw(c125.551,105.45) 125.551,105.069 ; v1@125.17,179.149 ccw(c125.551,179.15) 125.551,178.769 ; 125.23,16.223 cw(c124.437,15.429) 125.559,15.429 ; 125.23,16.753 ccw(c124.59,17.393) 125.495,17.393 ccw(c126.401,17.393) 125.76,16.753 ; 125.23,89.923 cw(c124.437,89.129) 125.559,89.129 ; 125.23,90.453 ccw(c124.59,91.093) 125.495,91.093 ccw(c126.401,91.093) 125.76,90.453 ; 125.23,163.623 cw(c124.437,162.829) 125.559,162.829 ; 125.23,164.153 ccw(c124.59,164.793) 125.495,164.793 ccw(c126.401,164.793) 125.76,164.153 ; v1@125.385,31.808 cw(c124.658,32.19) 124.658,31.369 ; v1@125.385,105.508 cw(c124.658,105.89) 124.658,105.069 ; v1@125.385,179.208 cw(c124.658,179.59) 124.658,178.769 ; 125.403,31.369 ccw(c125.403,31.799) v1@125.783,31.599 ; 125.403,105.069 ccw(c125.403,105.499) v1@125.783,105.299 ; 125.403,178.769 ccw(c125.403,179.199) v1@125.783,178.999 ; v1@125.495,31.625 cw(c125.495,31.017) v1@125.925,31.447 ; v1@125.495,105.325 cw(c125.495,104.717) v1@125.925,105.147 ; v1@125.495,179.025 cw(c125.495,178.417) v1@125.925,178.847 ; 125.559,14.605 125.559,16.424 ; 125.559,15.736 cw(c126.247,15.736) 125.76,16.223 ; 125.559,88.305 125.559,90.124 ; 125.559,89.436 cw(c126.247,89.436) 125.76,89.923 ; 125.559,162.005 125.559,163.824 ; 125.559,163.136 cw(c126.247,163.136) 125.76,163.623 ; v1@125.62,31.75 ccw(c126.003,31.752) v1(126.003,31.369) ; v1@125.62,105.45 ccw(c126.003,105.452) v1(126.003,105.069) ; v1@125.62,179.15 ccw(c126.003,179.152) v1(126.003,178.769) ; 125.76,20.353 ccw(c126.76,21.353) 126.76,19.939 ; 125.76,94.053 ccw(c126.76,95.053) 126.76,93.639 ; 125.76,167.753 ccw(c126.76,168.753) 126.76,167.339 ; v1@125.878,31.369 ccw(c125.495,31.367) v1(125.495,31.75) ; v1@125.878,105.069 ccw(c125.495,105.067) v1(125.495,105.45) ; v1@125.878,178.769 ccw(c125.495,178.767) v1(125.495,179.15) ; v1(125.927,53.086) 124.86,53.086 124.529,52.755 124.529,51.918 ; v1(125.927,126.786) 124.86,126.786 124.529,126.455 124.529,125.618 ; v1(125.927,200.486) 124.86,200.486 124.529,200.155 124.529,199.318 ; 126.104,47.068 ccw(c125.794,47.378) 126.232,47.378 ccw(c126.67,47.378) 126.36,47.068 ; 126.104,48.463 cw(c125.794,48.153) 126.232,48.153 cw(c126.67,48.153) 126.36,48.463 ; 126.104,120.768 ccw(c125.794,121.078) 126.232,121.078 ccw(c126.67,121.078) 126.36,120.768 ; 126.104,122.163 cw(c125.794,121.853) 126.232,121.853 cw(c126.67,121.853) 126.36,122.163 ; 126.104,194.468 ccw(c125.794,194.778) 126.232,194.778 ccw(c126.67,194.778) 126.36,194.468 ; 126.104,195.863 cw(c125.794,195.553) 126.232,195.553 cw(c126.67,195.553) 126.36,195.863 ; 126.129,51.751 ccw(c125.819,51.442) 125.819,51.88 ccw(c125.819,52.317) 126.129,52.008 ; 126.129,125.451 ccw(c125.819,125.142) 125.819,125.579 ccw(c125.819,126.017) 126.129,125.708 ; 126.129,199.151 ccw(c125.819,198.842) 125.819,199.279 ccw(c125.819,199.717) 126.129,199.408 ; 126.232,46.94 126.232,48.591 ; 126.232,50.203 126.257,50.228 ; 126.232,120.64 126.232,122.291 ; 126.232,123.903 126.257,123.928 ; 126.232,194.34 126.232,195.991 ; 126.232,197.603 126.257,197.628 ; v1(126.257,18.669) 125.495,17.907 125.495,16.488 125.559,16.424 ; 126.257,50.448 ccw(c126.257,51.744) 127.174,50.828 ; 126.257,51.879 124.567,51.879 124.529,51.918 ; v1(126.257,92.369) 125.495,91.607 125.495,90.188 125.559,90.124 ; 126.257,124.148 ccw(c126.257,125.444) 127.174,124.528 ; 126.257,125.579 124.567,125.579 124.529,125.618 ; v1(126.257,166.069) 125.495,165.307 125.495,163.888 125.559,163.824 ; 126.257,197.848 ccw(c126.257,199.144) 127.174,198.228 ; 126.257,199.279 124.567,199.279 124.529,199.318 ; 126.386,50.1 cw(c126.695,49.791) 126.695,50.229 cw(c126.695,50.666) 126.386,50.357 ; 126.386,123.8 cw(c126.695,123.491) 126.695,123.928 cw(c126.695,124.366) 126.386,124.057 ; 126.386,197.5 cw(c126.695,197.191) 126.695,197.628 cw(c126.695,198.066) 126.386,197.757 ; 126.687,21.271 cw(c126.377,20.962) 126.815,20.962 cw(c127.253,20.962) 126.944,21.271 ; 126.687,94.971 cw(c126.377,94.662) 126.815,94.662 cw(c127.253,94.662) 126.944,94.971 ; 126.687,168.671 cw(c126.377,168.362) 126.815,168.362 cw(c127.253,168.362) 126.944,168.671 ; 126.815,20.397 126.815,21.438 ; 126.815,94.097 126.815,95.138 ; 126.815,167.797 126.815,168.838 ; 127.146,30.67 127.337,30.861 128.861,30.861 128.861,29.273 128.924,29.21 ; 127.146,104.37 127.337,104.561 128.861,104.561 128.861,102.973 128.924,102.91 ; 127.146,178.07 127.337,178.261 128.861,178.261 128.861,176.673 128.924,176.61 ; 127.275,30.58 cw(c127.952,29.903) 127.952,30.861 ; 127.275,104.28 cw(c127.952,103.603) 127.952,104.561 ; 127.275,177.98 cw(c127.952,177.303) 127.952,178.261 ; v1(127.527,53.848) 127.527,51.181 ; v1(127.527,127.548) 127.527,124.881 ; v1(127.527,201.248) 127.527,198.581 ; 127.874,20.286 ccw(c126.812,21.348) 128.279,21.67 ; 127.874,93.986 ccw(c126.812,95.048) 128.279,95.37 ; 127.874,167.686 ccw(c126.812,168.748) 128.279,169.07 ; 128.416,20.8 cw(c129.091,20.8) 128.805,21.411 ; 128.416,21.36 128.416,20.828 128.807,21.219 ; 128.416,94.5 cw(c129.091,94.5) 128.805,95.111 ; 128.416,95.06 128.416,94.528 128.807,94.919 ; 128.416,168.2 cw(c129.091,168.2) 128.805,168.811 ; 128.416,168.76 128.416,168.228 128.807,168.619 ; 128.455,20.867 ccw(c127.765,21.557) 128.719,21.767 ; 128.455,94.567 ccw(c127.765,95.257) 128.719,95.467 ; 128.455,168.267 ccw(c127.765,168.957) 128.719,169.167 ; 128.67,21.614 128.807,21.751 128.807,21.219 ; 128.67,95.314 128.807,95.451 128.807,94.919 ; 128.67,169.014 128.807,169.151 128.807,168.619 ; 128.679,29.519 ccw(c128.241,29.957) 128.861,29.957 ; 128.679,103.219 ccw(c128.241,103.657) 128.861,103.657 ; 128.679,176.919 ccw(c128.241,177.357) 128.861,177.357 ; 128.694,30.733 ccw(c128.385,30.423) 128.385,30.861 ccw(c128.385,31.299) 128.694,30.989 ; 128.694,104.433 ccw(c128.385,104.123) 128.385,104.561 ccw(c128.385,104.999) 128.694,104.689 ; 128.694,178.133 ccw(c128.385,177.823) 128.385,178.261 ccw(c128.385,178.699) 128.694,178.389 ; 128.733,30.733 cw(c128.423,30.423) 128.861,30.423 cw(c129.299,30.423) 128.989,30.733 ; 128.733,104.433 cw(c128.423,104.123) 128.861,104.123 cw(c129.299,104.123) 128.989,104.433 ; 128.733,178.133 cw(c128.423,177.823) 128.861,177.823 cw(c129.299,177.823) 128.989,178.133 ; 128.861,30.263 ccw(c129.914,30.263) 129.169,29.519 ; 128.861,103.963 ccw(c129.914,103.963) 129.169,103.219 ; 128.861,177.663 ccw(c129.914,177.663) 129.169,176.919 ; 129.885,26.704 ccw(c130.595,26.814) 130.595,26.096 ; 129.885,100.404 ccw(c130.595,100.514) 130.595,99.796 ; 129.885,174.104 ccw(c130.595,174.214) 130.595,173.496 ; 129.924,26.71 130.539,26.096 131.12,26.096 129.94,26.797 ; 129.924,100.41 130.539,99.796 131.12,99.796 129.94,100.497 ; 129.924,174.11 130.539,173.496 131.12,173.496 129.94,174.197 ; 130.025,26.313 cw(c130.339,25.079) v1@130.99,26.173 ; 130.025,100.013 cw(c130.339,98.779) v1@130.99,99.873 ; 130.025,173.713 cw(c130.339,172.479) v1@130.99,173.573 ; 130.322,26.811 ccw(c131.006,26.985) 130.645,26.378 ; 130.322,100.511 ccw(c131.006,100.685) 130.645,100.078 ; 130.322,174.211 ccw(c131.006,174.385) 130.645,173.778 ; 130.329,26.773 ccw(c131.12,26.896) v1@131.12,26.096 ; 130.329,100.473 ccw(c131.12,100.596) v1@131.12,99.796 ; 130.329,174.173 ccw(c131.12,174.296) v1@131.12,173.496 ; 130.384,30.733 cw(c130.074,30.423) 130.512,30.423 cw(c130.95,30.423) 130.64,30.733 ; 130.384,104.433 cw(c130.074,104.123) 130.512,104.123 cw(c130.95,104.123) 130.64,104.433 ; 130.384,178.133 cw(c130.074,177.823) 130.512,177.823 cw(c130.95,177.823) 130.64,178.133 ; 130.512,29.853 ccw(c131.394,29.853) 130.805,29.196 ; 130.512,103.553 ccw(c131.394,103.553) 130.805,102.896 ; 130.512,177.253 ccw(c131.394,177.253) 130.805,176.596 ; 130.644,28.888 cw(c130.022,28.191) v1@130.956,28.191 ; 130.644,102.588 cw(c130.022,101.891) v1@130.956,101.891 ; 130.644,176.288 cw(c130.022,175.591) v1@130.956,175.591 ; 130.76,26.096 cw(c130.76,25.712) v1@131.032,25.983 ; 130.76,99.796 cw(c130.76,99.412) v1@131.032,99.683 ; 130.76,173.496 cw(c130.76,173.112) v1@131.032,173.383 ; 130.828,26.269 cw(c130.638,25.949) v1@130.999,26.041 ; 130.828,99.969 cw(c130.638,99.649) v1@130.999,99.741 ; 130.828,173.669 cw(c130.638,173.349) v1@130.999,173.441 ; v1(130.956,28.194) 130.956,29.128 130.512,29.573 130.512,30.861 ccw(c132.297,30.861) 131.106,29.532 ; v1@130.956,28.508 cw(c131.513,28.508) 131.119,28.901 ; v1(130.956,101.894) 130.956,102.828 130.512,103.273 130.512,104.561 ccw(c132.297,104.561) 131.106,103.232 ; v1@130.956,102.208 cw(c131.513,102.208) 131.119,102.601 ; v1(130.956,175.594) 130.956,176.528 130.512,176.973 130.512,178.261 ccw(c132.297,178.261) 131.106,176.932 ; v1@130.956,175.908 cw(c131.513,175.908) 131.119,176.301 ; 22.496,60.814 23.74,60.814 ; 22.496,134.514 23.74,134.514 ; 22.496,208.214 23.74,208.214 ; 33.183,32.233 cw(c33.183,33.008) 32.542,32.572 ccw(c33.183,33.008) 33.183,32.233 ; 33.183,32.233 ccw(c33.183,31.317) 32.5,31.927 cw(c33.183,31.317) 33.183,32.233 ; 33.183,105.933 cw(c33.183,106.708) 32.542,106.272 ccw(c33.183,106.708) 33.183,105.933 ; 33.183,105.933 ccw(c33.183,105.017) 32.5,105.627 cw(c33.183,105.017) 33.183,105.933 ; 33.183,179.633 cw(c33.183,180.408) 32.542,179.972 ccw(c33.183,180.408) 33.183,179.633 ; 33.183,179.633 ccw(c33.183,178.717) 32.5,179.327 cw(c33.183,178.717) 33.183,179.633 ; 46.098,47.244 48.042,47.244 48.423,47.625 48.423,50.038 v1@48.742,50.357 ; 46.098,120.944 48.042,120.944 48.423,121.325 48.423,123.738 v1@48.742,124.057 ; 46.098,194.644 48.042,194.644 48.423,195.025 48.423,197.438 v1@48.742,197.757 ; 52.004,31.75 v1(52.995,31.75) ; 52.004,105.45 v1(52.995,105.45) ; 52.004,179.15 v1(52.995,179.15) ; 52.029,52.394 cw(c51.591,52.394) 51.901,52.084 ccw(c51.591,52.394) 52.029,52.394 ; 52.029,52.394 ccw(c52.467,52.394) 52.158,52.084 cw(c52.467,52.394) 52.029,52.394 ; 52.029,126.094 cw(c51.591,126.094) 51.901,125.784 ccw(c51.591,126.094) 52.029,126.094 ; 52.029,126.094 ccw(c52.467,126.094) 52.158,125.784 cw(c52.467,126.094) 52.029,126.094 ; 52.029,199.794 cw(c51.591,199.794) 51.901,199.484 ccw(c51.591,199.794) 52.029,199.794 ; 52.029,199.794 ccw(c52.467,199.794) 52.158,199.484 cw(c52.467,199.794) 52.029,199.794 ; 52.158,31.369 v1(53.503,31.369) ; 52.158,105.069 v1(53.503,105.069) ; 52.158,178.769 v1(53.503,178.769) ; v1(52.995,31.75) 53.122,31.75 v1(53.503,31.369) ; v1(52.995,105.45) 53.122,105.45 v1(53.503,105.069) ; v1(52.995,179.15) 53.122,179.15 v1(53.503,178.769) ; 53.757,50.228 54.583,50.228 55.027,50.673 55.027,51.181 ; 53.757,50.228 54.075,50.228 55.027,51.181 ; 53.757,123.928 54.583,123.928 55.027,124.373 55.027,124.881 ; 53.757,123.928 54.075,123.928 55.027,124.881 ; 53.757,197.628 54.583,197.628 55.027,198.073 55.027,198.581 ; 53.757,197.628 54.075,197.628 55.027,198.581 ; 55.027,19.939 55.408,20.32 54.011,20.32 53.63,19.939 55.027,19.939 ; 55.027,19.939 56.307,21.219 ; 55.027,93.639 55.408,94.02 54.011,94.02 53.63,93.639 55.027,93.639 ; 55.027,93.639 56.307,94.919 ; 55.027,167.339 55.408,167.72 54.011,167.72 53.63,167.339 55.027,167.339 ; 55.027,167.339 56.307,168.619 ; 94.996,60.814 96.24,60.814 ; 94.996,134.514 96.24,134.514 ; 94.996,208.214 96.24,208.214 ; 105.683,32.233 cw(c105.683,33.008) 105.042,32.572 ccw(c105.683,33.008) 105.683,32.233 ; 105.683,32.233 ccw(c105.683,31.317) 105,31.927 cw(c105.683,31.317) 105.683,32.233 ; 105.683,105.933 cw(c105.683,106.708) 105.042,106.272 ccw(c105.683,106.708) 105.683,105.933 ; 105.683,105.933 ccw(c105.683,105.017) 105,105.627 cw(c105.683,105.017) 105.683,105.933 ; 105.683,179.633 cw(c105.683,180.408) 105.042,179.972 ccw(c105.683,180.408) 105.683,179.633 ; 105.683,179.633 ccw(c105.683,178.717) 105,179.327 cw(c105.683,178.717) 105.683,179.633 ; 118.598,47.244 120.542,47.244 120.923,47.625 120.923,50.038 v1@121.242,50.357 ; 118.598,120.944 120.542,120.944 120.923,121.325 120.923,123.738 v1@121.242,124.057 ; 118.598,194.644 120.542,194.644 120.923,195.025 120.923,197.438 v1@121.242,197.757 ; 124.504,31.75 v1(125.495,31.75) ; 124.504,105.45 v1(125.495,105.45) ; 124.504,179.15 v1(125.495,179.15) ; 124.529,52.394 cw(c124.091,52.394) 124.401,52.084 ccw(c124.091,52.394) 124.529,52.394 ; 124.529,52.394 ccw(c124.967,52.394) 124.658,52.084 cw(c124.967,52.394) 124.529,52.394 ; 124.529,126.094 cw(c124.091,126.094) 124.401,125.784 ccw(c124.091,126.094) 124.529,126.094 ; 124.529,126.094 ccw(c124.967,126.094) 124.658,125.784 cw(c124.967,126.094) 124.529,126.094 ; 124.529,199.794 cw(c124.091,199.794) 124.401,199.484 ccw(c124.091,199.794) 124.529,199.794 ; 124.529,199.794 ccw(c124.967,199.794) 124.658,199.484 cw(c124.967,199.794) 124.529,199.794 ; 124.658,31.369 v1(126.003,31.369) ; 124.658,105.069 v1(126.003,105.069) ; 124.658,178.769 v1(126.003,178.769) ; v1(125.495,31.75) 125.622,31.75 v1(126.003,31.369) ; v1(125.495,105.45) 125.622,105.45 v1(126.003,105.069) ; v1(125.495,179.15) 125.622,179.15 v1(126.003,178.769) ; 126.257,50.228 127.083,50.228 127.527,50.673 127.527,51.181 ; 126.257,50.228 126.575,50.228 127.527,51.181 ; 126.257,123.928 127.083,123.928 127.527,124.373 127.527,124.881 ; 126.257,123.928 126.575,123.928 127.527,124.881 ; 126.257,197.628 127.083,197.628 127.527,198.073 127.527,198.581 ; 126.257,197.628 126.575,197.628 127.527,198.581 ; 127.527,19.939 127.908,20.32 126.511,20.32 126.13,19.939 127.527,19.939 ; 127.527,19.939 128.807,21.219 ; 127.527,93.639 127.908,94.02 126.511,94.02 126.13,93.639 127.527,93.639 ; 127.527,93.639 128.807,94.919 ; 127.527,167.339 127.908,167.72 126.511,167.72 126.13,167.339 127.527,167.339 ; 127.527,167.339 128.807,168.619
  Bottom Layer w0.6: 57.542,45.418 63.054,45.418 ; 57.542,119.118 63.054,119.118 ; 57.542,192.818 63.054,192.818 ; 130.042,45.418 135.554,45.418 ; 130.042,119.118 135.554,119.118 ; 130.042,192.818 135.554,192.818